# Altium PCB 车载定位器.PcbDoc
Units mil, origin at the board's own origin, x right, y up, seen from the top; angles counter-clockwise.
Board outline 3937.01 x 3937.01 mil, 2 copper layers (Top Layer, Bottom Layer); 65 components, 68 nets, 499 pads, 4 vias.
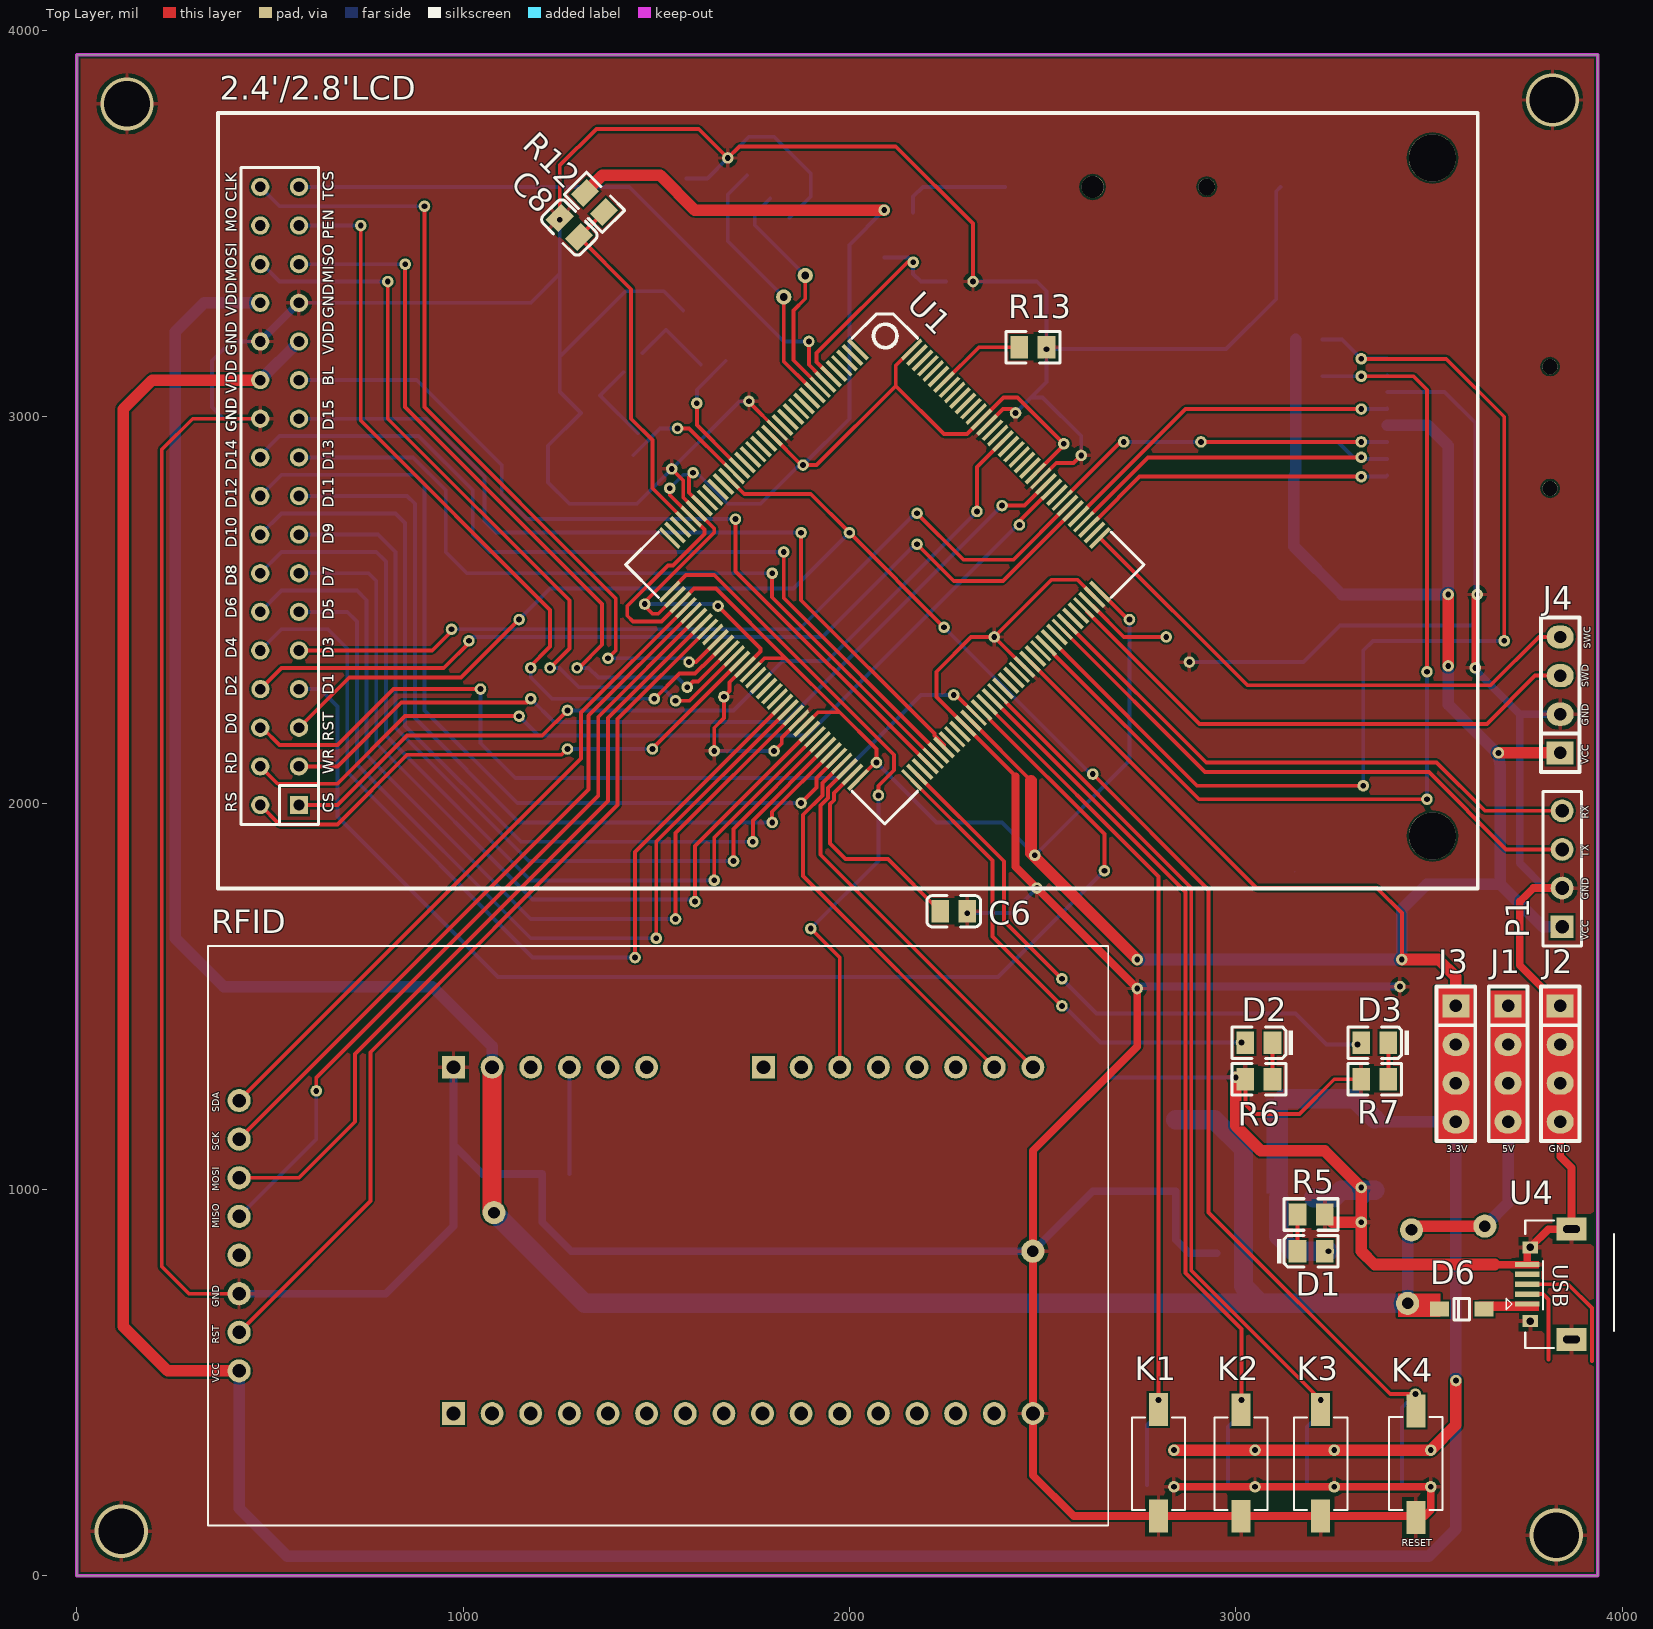
[diagram p0: Top Layer view]
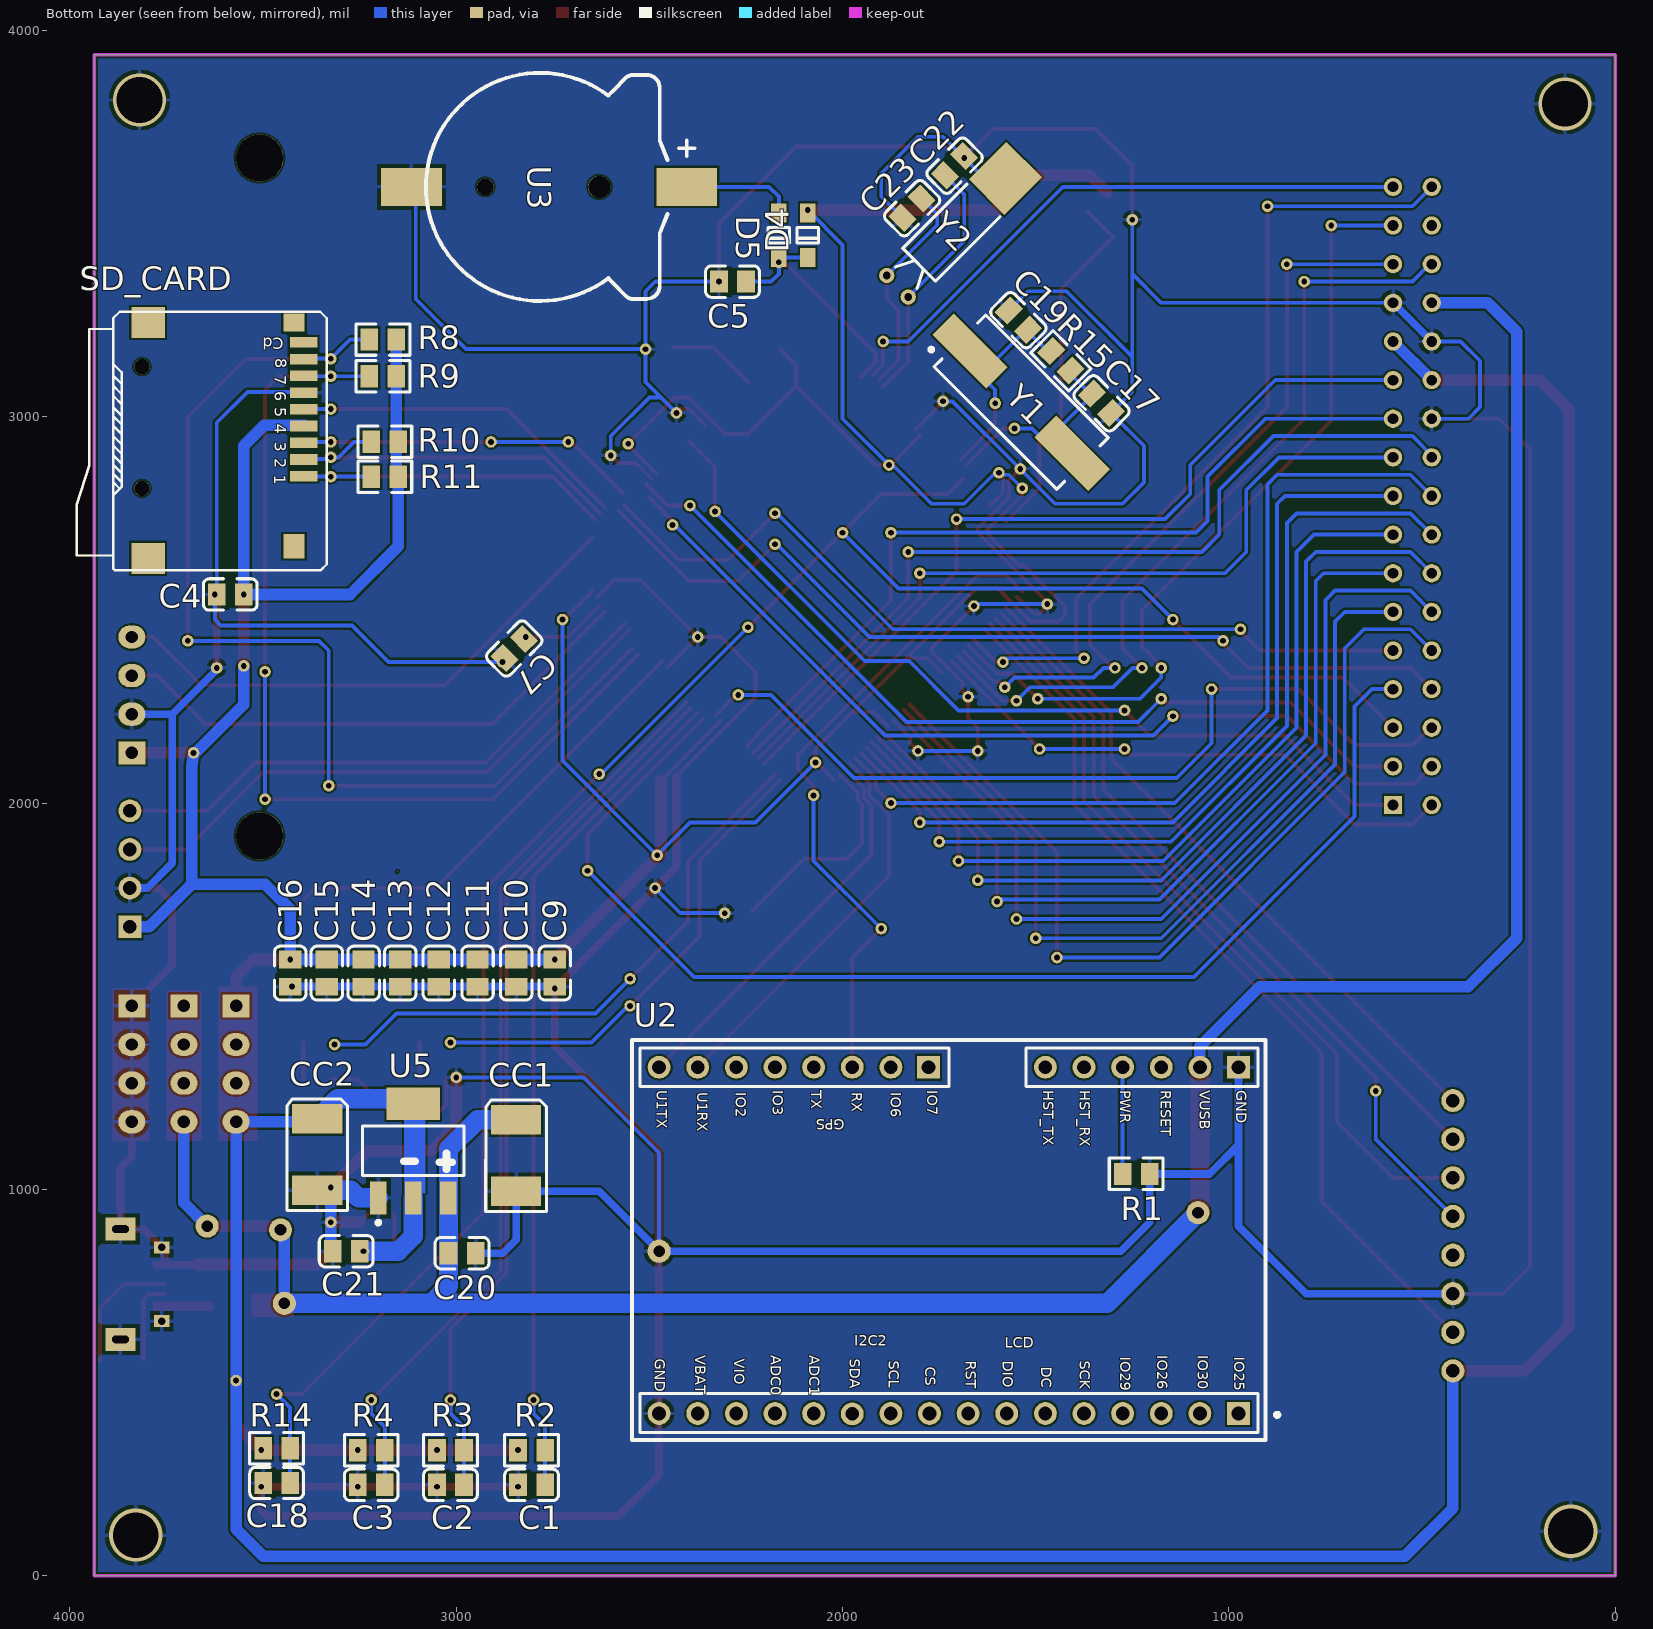
[diagram p1: Bottom Layer view, seen from below]

## Layer stack, top to bottom
Top Solder: solder mask 0.4, Solder Resist, Dk 3.5
Top Layer: signal copper 1.4
Dielectric 1: dielectric 12.6, FR-4, Dk 4.8
Bottom Layer: signal copper 1.4
Bottom Solder: solder mask 0.4, Solder Resist, Dk 3.5

## Board outline
0,0 3937.01,0 3937.01,3937.01 0,3937.01

## Design rules (kind name [scope] priority, off if disabled: settings)
Clearance [All] p1: gap=5
PolygonConnect [All] p1: connectstyle=Relief reliefconductorwidth=10 reliefentries=4 polygonreliefangle="90 Angle" airgapwidth=10
RoutingVias [All] p1: holewidth=28 width=50 viastyle="Through Hole" minholewidth=28 minwidth=50 maxholewidth=28 maxwidth=50
SolderMaskExpansion [All] p1: expansion=4
Width Width_2 [InNet('GND')] p1: maxlimit=50 minlimit=10 preferedwidth=30 minimp=50.000000 maximp=50.000000 favimp=50.000000
Width Width_1 [InNet('VCC3.3')] p2: maxlimit=50 minlimit=10 preferedwidth=10 minimp=50.000000 maximp=50.000000 favimp=50.000000
Width [InNet('VUSB')] p3: maxlimit=100 minlimit=30 preferedwidth=30 minimp=50.000000 maximp=50.000000 favimp=50.000000
30 further rules are at their usual default settings.

## Components (designator, comment, footprint, x,y, rotation, side; value= is the part's Value field where it differs from the comment)
2.4'/2.8'LCD "TFT_LCD" TFT_LCD2.8 575.24,1995.08 r90 top
C1 "105" LC-0805_C 2805,235 r0 bottom
C2 "105" LC-0805_C 3015,235 r0 bottom
C3 "105" LC-0805_C 3220,235 r0 bottom
C4 "10uF" LC-0805_C 3585,2540 r0 bottom
C5 "225" LC-0805_C 2285,3350 r180 bottom
C6 "225" LC-0805_C 2270,1720 r0 top
C7 "225" LC-0805_C 2850,2400 r315 bottom
C8 "104" LC-0805_C 1275,3490 r315 top
C9 "104" LC-0805_C 2745,1560 r90 bottom
C10 "104" LC-0805_C 2845,1560 r90 bottom
C11 "104" LC-0805_C 2945,1560 r90 bottom
C12 "104" LC-0805_C 3045,1560 r90 bottom
C13 "104" LC-0805_C 3145,1560 r90 bottom
C14 "104" LC-0805_C 3240,1560 r90 bottom
C15 "104" LC-0805_C 3335,1560 r90 bottom
C16 "104" LC-0805_C 3430,1560 r90 bottom
C17 "22pF" LC-0805_C 1330,3035 r45 bottom
C18 "104" LC-0805_C 3465,240 r180 bottom
C19 "22pF" LC-0805_C 1545,3250 r45 bottom
C20 "104" LC-0805_C 2985,835 r0 bottom
C21 "104" LC-0805_C 3285,840 r180 bottom
C22 "22pF" LC-0805_C 1710,3650 r315 bottom
C23 "22pF" LC-0805_C 1820,3540 r315 bottom
CC1 "Cap Tan C" TAN-C-6032 2845,1087.48 r90 bottom
CC2 "Cap Tan C" TAN-C-6032 3360,1090 r90 bottom
D1 "红灯 0805" LC-0805_LED_S1 3195,840 r0 top
D2 "蓝灯 0603" LC-0805_LED_S1 3060,1380 r180 top
D3 "蓝灯 0603" LC-0805_LED_S1 3360,1380 r180 top
D4 "SS14" LC-SOD-123 2090,3470 r90 bottom
D5 "SS14" LC-SOD-123 2165,3470 r90 bottom
D6 "SS14" LC-SOD-123 3585,690 r0 top
J1 "Pin HDR1X4" "Pin HDR1X4/2.54mm-S" 3705,1475 r0 top
J2 "Pin HDR1X4" "Pin HDR1X4/2.54mm-S" 3840,1475 r0 top
J3 "Pin HDR1X4" "Pin HDR1X4/2.54mm-S" 3570,1475 r0 top
J4 "Pin HDR1X4" "Pin HDR1X4/2.54mm-S" 3840,2130 r180 top
K1 "KEY" KEY_2 2816.14,300.43 r270 top
K2 "KEY" KEY_2 3030,300 r270 top
K3 "KEY" KEY_2 3236.14,300.43 r270 top
K4 "RESET" KEY_2 3450,280 r90 top
P1 "Header 4" HDR1X4 3845,1680 r90 top
R1 "10KΩ" LC-0805_R 1240,1040 r180 bottom
R2 "10KΩ" LC-0805_R 2805,325 r0 bottom
R3 "10KΩ" LC-0805_R 3015,325 r0 bottom
R4 "10KΩ" LC-0805_R 3220,325 r0 bottom
R5 "47KΩ" LC-0805_R 3195,935 r0 top
R6 "47KΩ" LC-0805_R 3060,1285 r180 top
R7 "47KΩ" LC-0805_R 3360,1285 r180 top
R8 "10KΩ" LC-0805_R 3190,3200 r0 bottom
R9 "10KΩ" LC-0805_R 3190,3105 r0 bottom
R10 "10KΩ" LC-0805_R 3185,2935 r0 bottom
R11 "10KΩ" LC-0805_R 3185,2845 r0 bottom
R12 "10Ω" LC-0805_R 1340,3555 r135 top
R13 "10KΩ" LC-0805_R 2475,3180 r180 top
R14 "10KΩ" LC-0805_R 3465,330 r0 bottom
R15 "1MΩ" LC-0805_R 1435,3145 r225 bottom
RFID "RC522" RFID 420,530 r90 top
SD_CARD "sdIO-sdcard" "Micro SD" 3797.95,3243.74 r270 bottom
U1 "STM32F407ZET6" LQFP144 2022.25,3173.52 r315 top
U2 "A9G模组" A9G 975,1316.26 r0 bottom
U3 "BAT" CR1220_A 2783.27,3595 r180 bottom
U4 "USB" USB_B 3829.17,629.41 r90 top
U5 "AMS1117" SOT-223 3122.68,1105 r180 bottom
Y1 "8MHz" XTAL-SMD 1670,3170 r225 bottom
Y2 "32.768KHz" OSC-3x8-WI-B 1885.68,3365.68 r225 bottom

## Footprints (in the part's own frame and the unit in brackets; to place one, negate y for a bottom-side part, rotate by r counter-clockwise, add the part's x,y. Pads: shape width x height; smd on the part's side, far side on the other; paste and mask are expansions set on the pad)
A9G [mm] "A9G模组"
  rect 1.5x1.5 hole 0.9: 1(0,22.765) 24(20.392,0) 30(0,0)
  round 1.5 hole 0.9: 2(2.54,22.765) 3(5.08,22.765) 4(7.62,22.765) 5(10.16,22.765) 6(12.7,22.765) 7(15.24,22.765) 8(17.78,22.765) 9(20.32,22.765) 10(22.86,22.765) 11(25.4,22.795) 12(27.94,22.765) 13(30.48,22.765) 14(33.02,22.765) 15(35.56,22.765) 16(38.1,22.765) 17(38.1,0) 18(35.56,0) 19(33.02,0) 20(30.48,0) 21(27.94,0) 22(25.4,0) 23(22.86,0) 25(12.7,0) 26(10.16,0) 27(7.62,0) 28(5.08,0) 29(2.54,0)
  silkscreen extent -2.68,-1.78 39.88,24.51, body extent -1.27,-1.27 39.44,24, height 8.54
CR1220_A [mm] "纽扣电池座"
  round 1.1 hole 1.1: 0(-3.6,0)
  round 1.45 hole 1.45: 0(3.9,0)
  rect 4x2.5 smd: 1(9.652,0) 2(-8.458,0)
  silkscreen extent -7.5,-7.5 10.16,7.5, body extent -9.42,-7.45 10.34,7.45, height 4.05
HDR1X4 [mm] "Connector; Header; 4 Position"
  rect 1.5x1.5 hole 0.9: 1(0,0)
  round 1.5 hole 0.9: 2(2.54,0) 3(5.08,0) 4(7.62,0)
  silkscreen extent -1.27,-1.27 8.89,1.27, body extent -1.27,-1.27 8.89,1.27, height 7.58
KEY_2 [mil] "贴片"
  rect 85x49.37 smd: 1(-129.57,-16.14) 2(146.02,-16.14)
  silkscreen extent -110,-85 130,53, body extent -110,-88 130,58
LC-0805_C [mm]
  rect 1.16x1.47 smd: 1(-0.89,0) 2(0.89,0)
  silkscreen extent -1.77,-1.04 1.77,1.04, body extent -1,-0.63 1,0.62, height 0.77
LC-0805_LED_S1 [mm]
  rect 1.16x1.47 smd: A(0.89,0) K(-0.89,0)
  silkscreen extent -2.24,-1.04 1.77,1.03, body extent -1.01,-0.62 1.01,0.62, height 1.1
LC-0805_R [mm]
  rect 1.16x1.47 smd: 1(-0.89,0) 2(0.89,0)
  silkscreen extent -1.77,-1.04 1.77,1.03, body extent -1,-0.63 1,0.63, height 0.49
LC-SOD-123 [mm]
  rect 1.25x1 smd: 1(1.475,0) 2(-1.475,0)
  silkscreen extent -0.5,-0.7 0.5,0.7, body extent -1.85,-0.77 1.85,0.78, height 1.35
LQFP144 [mil]
  rect 70.87x10 smd: 1(-0.35,0.02) 2(-0.35,-19.66) 3(-0.35,-39.35) 4(-0.35,-59.03) 5(-0.35,-78.72) 6(-0.35,-98.4) 7(-0.35,-118.09) 8(-0.35,-137.77) 9(-0.35,-157.46) 10(-0.35,-177.14) 11(-0.35,-196.83) 12(-0.35,-216.51) 13(-0.35,-236.2) 14(-0.35,-255.88) 15(-0.35,-275.57) 16(-0.35,-295.25) 17(-0.35,-314.94) 18(-0.35,-334.62) 19(-0.35,-354.31) 20(-0.35,-373.99) 21(-0.35,-393.68) 22(-0.35,-413.36) 23(-0.35,-433.05) 24(-0.35,-452.73) 25(-0.35,-472.42) 26(-0.35,-492.1) 27(-0.35,-511.79) 28(-0.35,-531.47) 29(-0.35,-551.16) 30(-0.35,-570.84) 31(-0.35,-590.53) 32(-0.35,-610.21) 33(-0.35,-629.9) 34(-0.35,-649.58) 35(-0.35,-669.27) 36(-0.35,-688.95) 73(885.47,-688.95) 74(885.47,-669.27) 75(885.47,-649.58) 76(885.47,-629.9) 77(885.47,-610.21) 78(885.47,-590.53) 79(885.47,-570.84) 80(885.47,-551.16) 81(885.47,-531.47) 82(885.47,-511.79) 83(885.47,-492.1) 84(885.47,-472.42) 85(885.47,-452.73) 86(885.47,-433.05) 87(885.47,-413.36) 88(885.47,-393.68) 89(885.47,-373.99) 90(885.47,-354.31) 91(885.47,-334.62) 92(885.47,-314.94) 93(885.47,-295.25) 94(885.47,-275.57) 95(885.47,-255.88) 96(885.47,-236.2) 97(885.47,-216.51) 98(885.47,-196.83) 99(885.47,-177.14) 100(885.47,-157.46) 101(885.47,-137.77) 102(885.47,-118.09) 103(885.47,-98.4) 104(885.47,-78.72) 105(885.47,-59.03) 106(885.47,-39.35) 107(885.47,-19.66) 108(885.47,0.02)
  rect 10x70.87 smd: 37(98.07,-787.38) 38(117.76,-787.38) 39(137.44,-787.38) 40(157.13,-787.38) 41(176.81,-787.38) 42(196.5,-787.38) 43(216.18,-787.38) 44(235.87,-787.38) 45(255.55,-787.38) 46(275.24,-787.38) 47(294.92,-787.38) 48(314.61,-787.38) 49(334.29,-787.38) 50(353.98,-787.38) 51(373.66,-787.38) 52(393.35,-787.38) 53(413.03,-787.38) 54(432.72,-787.38) 55(452.4,-787.38) 56(472.09,-787.38) 57(491.77,-787.38) 58(511.46,-787.38) 59(531.14,-787.38) 60(550.83,-787.38) 61(570.51,-787.38) 62(590.2,-787.38) 63(609.88,-787.38) 64(629.57,-787.38) 65(649.25,-787.38) 66(668.94,-787.38) 67(688.62,-787.38) 68(708.31,-787.38) 69(727.99,-787.38) 70(747.68,-787.38) 71(767.36,-787.38) 72(787.05,-787.38) 109(787.05,98.45) 110(767.36,98.45) 111(747.68,98.45) 112(727.99,98.45) 113(708.31,98.45) 114(688.62,98.45) 115(668.94,98.45) 116(649.25,98.45) 117(629.57,98.45) 118(609.88,98.45) 119(590.2,98.45) 120(570.51,98.45) 121(550.83,98.45) 122(531.14,98.45) 123(511.46,98.45) 124(491.77,98.45) 125(472.09,98.45) 126(452.4,98.45) 127(432.72,98.45) 128(413.03,98.45) 129(393.35,98.45) 130(373.66,98.45) 131(353.98,98.45) 132(334.29,98.45) 133(314.61,98.45) 134(294.92,98.45) 135(275.24,98.45) 136(255.55,98.45) 137(235.87,98.45) 138(216.18,98.45) 139(196.5,98.45) 140(176.81,98.45) 141(157.13,98.45) 142(137.44,98.45) 143(117.76,98.45) 144(98.07,98.45)
  silkscreen extent -32,-819 917,130
"Micro SD" [mm]
  rect 2.032x2.2 smd: 0(0,0) 0(15.5,0)
  rect 1.2x1.4 smd: 0(0,9.6)
  round 1 hole 1 unplated: 0(2.9,-0.4) 0(10.9,-0.4)
  rect 1.6x1.4 smd: 0(14.7,9.6)
  rect 0.7x1.8 smd: 1(10.1,10.227) 2(9,10.227) 3(7.9,10.227) 4(6.8,10.227) 5(5.7,10.227) 6(4.6,10.227) 7(3.5,10.227) 8(2.4,10.227) 9(1.3,10.227)
  Top Layer lines w0.03: 36.064,16.423 36.114,16.373
  silkscreen extent -0.72,-4.68 16.27,11.75, body extent -0.27,-4.63 16,10.57, height 1.8
OSC-3x8-WI-B [mm]
  rect 3.3x3.5 smd: 0(1,10.033)
  round 1 hole 0.5: 1(0,0) 2(2,0)
  silkscreen extent -0.52,0.8 2.52,8, body extent -0.48,-0.13 2.52,10.05, height 3.03
"Pin HDR1X4/2.54mm-S" [mil]
  rect 70x60 hole 32: 1(0,0)
  oval 70x60 hole 32: 2(0,-100) 3(0,-200) 4(0,-300)
  silkscreen extent -50,-350 50,50, body extent -50,-350 50,50, height 336
RFID [mil]
  round 60 hole 35: 1(700,0) 2(600,0) 3(500,0) 4(400,0) 5(300,0) 6(200,0) 7(100,0) 8(0,0)
  silkscreen extent -400,-2250 1100,80
SOT-223 [mm] "ASM1117系列"
  rect 1.1x2.15 smd: 1(-2.012,-3.227) 2(0.288,-3.227) 3(2.588,-3.227)
  rect 3.5x2.15 smd: 2(0.288,2.973)
  silkscreen extent -3.06,-4.98 3.64,1.5, body extent -3,-3.48 3.5,3.48, height 1.7
TAN-C-6032 [mm]
  rect 1.95x3.3 smd: 1(-2.35,0) 2(2.35,0)
  silkscreen extent -3.68,-2.01 3.66,2, body extent -3,-1.6 3,1.6, height 2.6
TFT_LCD2.8 [mm]
  rect 1.2x1.2 hole 0.7: 1(-0.002,0.006)
  round 1.2 hole 0.7: 2(-0.002,2.546) 3(2.538,0.006) 4(2.538,2.546) 5(5.08,0) 6(5.078,2.546) 7(7.62,0) 8(7.62,2.54) 9(10.158,0.006) 10(10.158,2.546) 11(12.698,0.006) 12(12.698,2.546) 13(15.238,0.006) 14(15.238,2.546) 15(17.778,0.006) 16(17.778,2.546) 17(20.318,0.006) 18(20.318,2.546) 19(22.858,0.006) 20(22.858,2.546) 21(25.398,0.006) 22(25.398,2.546) 23(27.938,0.006) 24(27.938,2.546) 25(30.478,0.006) 26(30.478,2.546) 27(33.018,0.006) 28(33.018,2.546) 29(35.558,0.006) 30(35.558,2.546) 31(38.098,0.006) 32(38.098,2.546) 33(40.638,0.006) 34(40.638,2.546)
  round 3.1 hole 3.1: ""(-2.037,-74.525) ""(42.54,-74.525)
  silkscreen extent -5.5,-77.5 45.5,5.33
USB_B [mm]
  rect 0.35x1.6 smd: 1(1.875,1.884) 2(2.525,1.884) 3(3.175,1.884) 4(3.825,1.884) 5(4.475,1.884)
  rect 1.5x2 hole 0.5 slot 1.1 at 90 deg: 5(-0.45,-1.016) 5(6.8,-1.016)
  rect 0.8x1 hole 0.5: 5(0.75,1.694) 5(5.6,1.694)
  silkscreen extent -1.02,-3.81 7.37,3.28, body extent -0.83,-3.73 7.18,1.87, height 2.8
XTAL-SMD [mm]
  rect 5x2 smd: 1(0,0) 2(9.5,0)
  silkscreen extent -2,-2.4 10.45,2.4, body extent -1.95,-2.46 11.45,2.44, height 4

## Part data
C1 C2 C3 C5 C6 C7 C9 C10 C11 C12 C13 C14 C15 C16 C20 C21: library part "0805 6.8nF (682) 10% 50V", "贴片电容"
C4: library part "0805 10uF (106) 10% 25V", "贴片电容"
C8 C18: library part "0805 330nF (334) 10% 50V", "贴片电容"
C17 C19 C22 C23: library part "0805 6pF (6R0) 0.25pF 50V", "贴片电容"
CC1 CC2: "Polarized Capacitor (Radial)"
D1: library part "0805 红灯", "发光二极管"
D2 D3: library part "0603 蓝灯", "发光二极管"
D4 D5 D6: library part D
K1 K2 K3: "微动开关"
K4: library part KEY, "微动开关"
P1: "Header, 4-Pin"
R1: library part "0805 10KΩ (1002) 1%", "贴片电阻"
R2 R3 R4 R5 R6 R7 R8 R9 R10 R11: library part "0805 11KΩ (1102) 1%", "贴片电阻"
R12 R13: library part "0805 9.1KΩ (9101) 1%", "贴片电阻"
R14 R15: library part "0805 390KΩ (3903) 1%", "贴片电阻"
RFID: library part RFID
U3: "纽扣电池座CR1220"
U5: "3.3V电压转换器AMS1117"
Y1 Y2: library part XTAL, "晶体振荡器"

## Free pads (board coordinates)
  round 30 hole 15: 0(620,1255) 0(735,3495) 0(805,3350) 0(850,3395) 0(900,3545) 0(970,2450) 0(1015,2420) 0(1045,2295) 0(1145,2225) 0(1145,2475) 0(1175,2270) 0(1175,2350) 0(1225,2350) 0(1250,3510) 0(1270,2140) 0(1270,2240) 0(1295,2350) 0(1375,2375) 0(1445,1600) 0(1470.26,2515) 0(1490,2140) 0(1495,2270) 0(1500,1650) 0(1535,2815) 0(1540,2865) 0(1550,1700) 0(1550,2265) 0(1555,2970) 0(1580,2300) 0(1585,2365) 0(1595.26,2855) 0(1600,1745) 0(1605,3035) 0(1650,1800) 0(1650,2135) 0(1660,2510) 0(1675,2275) 0(1685,3670) 0(1700,1850) 0(1705,2735) 0(1740,3040) 0(1750,1900) 0(1800,1950) 0(1800,2595) 0(1805,2135) 0(1830,2650) 0(1875,2000) 0(1875,2700) 0(1880,2875) 0(1895,3195) 0(1900,1675) 0(2000,2700) 0(2070,2105) 0(2075,2020) 0(2090,3535) 0(2165,3400) 0(2175,2670) 0(2175,2750) 0(2245,2455) 0(2270,2280) 0(2305.26,1715) 0(2320.04,3350) 0(2330,2755) 0(2375,2430) 0(2395,2770) 0(2430,3010) 0(2440,2720) 0(2480,1865) 0(2485.26,1780) 0(2510,3175) 0(2550,1475) 0(2550,1545) 0(2555,2930) 0(2600,2900) 0(2630,2075) 0(2660,1825) 0(2710,2935) 0(2725,2475) 0(2745,1520) 0(2745,1595) 0(2800,455) 0(2820,2430) 0(2840,230) 0(2840,325) 0(2880,2365) 0(2910,2935) 0(3000,1290) 0(3015,455) 0(3015,1380) 0(3050,230) 0(3050,325) 0(3220,455) 0(3240,840) 0(3255,230) 0(3255,325) 0(3315,1375) 0(3325,915) 0(3325,1005) 0(3325,2845) 0(3325,2895) 0(3325,2935) 0(3325,3020) 0(3325,3105) 0(3325,3150) 0(3330,2045) 0(3425,1525) 0(3430,1595) 0(3465,470) 0(3495,2010) 0(3495,2340) 0(3505,230) 0(3505,325) 0(3550,2355) 0(3550,2540) 0(3570,505) 0(3620,2350) 0(3625,2540) 0(3680,2130) 0(3695,2420)
  round 60 hole 30: 1(3445,705) 2(1080,940) 3(3455,895) 4(3645,905) 5(2475,840)

## Via types
v1: diameter 137.8, hole 118.11, Top Layer to Bottom Layer, 4 vias

## Nets (pads, with @x,y where several pads share a name; then routed paths per layer and width w, separated by ;. In a path a pad name is that pad's centre, name@x,y a point inside that pad or via, vN(x,y) a via of type N, cw(c..) or ccw(c..) an arc to the next point about the centre after c; other vN are vias at no path point)
FSMC_A6: 2.4'/2.8'LCD.2 pad.0@1270,2140 pad.0@1490,2140 U1.50 | length 1436.8
  Top Layer w10: 2.4'/2.8'LCD.2 525,1945 675,1945 855,2125 1255,2125 pad.0@1270,2140 ; pad.0@1489.32,2140 U1.50
  Bottom Layer w10: pad.0@1270,2140 pad.0@1490,2140
FSMC_D0: 2.4'/2.8'LCD.6 pad.0@1045,2295 pad.0@2270,2280 U1.85 | length 2220.1
  Top Layer w10: 2.4'/2.8'LCD.6@480,2195 525,2150 675,2150 820,2295 pad.0@1045,2295 ; pad.0@2270,2280 2275.51,2280 U1.85
  Bottom Layer w10: pad.0@1045,2295 1045,2155 1135,2065 1970,2065 2185,2280 2270,2280 pad.0@2275,2280
FSMC_D1: 2.4'/2.8'LCD.7 pad.0@2660,1825 U1.86 | length 3189.4
  Top Layer w10: U1.86@2362.92,2217.08 2660,1920 pad.0@2660,1825
  Bottom Layer w10: 2.4'/2.8'LCD.7 629.92,2295.08 675,2250 675,1965 1090,1550 2385,1550 pad.0@2660,1825
FSMC_D2: 2.4'/2.8'LCD.8 pad.0@1015,2420 pad.0@2175,2670 U1.114 | length 2380.3
  Top Layer w10: 2.4'/2.8'LCD.8 530,2349.84 949.84,2349.84 pad.0@1020,2420 ; pad.0@2175,2670 2270,2575 2397.58,2575 U1.114
  Bottom Layer w10: pad.0@1015,2420 1025,2430 1930,2430 pad.0@2175,2675
FSMC_D3: 2.4'/2.8'LCD.9 pad.0@970,2450 pad.0@2175,2750 U1.115 | length 2244.7
  Top Layer w10: 2.4'/2.8'LCD.9 920,2395 pad.0@975,2450 ; pad.0@2175,2750 2295,2630 2424.74,2630 U1.115
  Bottom Layer w10: pad.0@970,2450 1870,2450 pad.0@2170,2750
FSMC_D4: 2.4'/2.8'LCD.10 pad.0@1445,1600 U1.58 | length 2345.7
  Top Layer w10: pad.0@1445,1600 1445,1872.97 U1.58
  Bottom Layer w10: 2.4'/2.8'LCD.10 530,2450 650,2450 700,2400 700,2080 1180,1600 pad.0@1445,1600
FSMC_D5: 2.4'/2.8'LCD.11 pad.0@1500,1650 U1.59 | length 2224.2
  Top Layer w10: pad.0@1500,1650 1500,1900.13 U1.59
  Bottom Layer w10: 2.4'/2.8'LCD.11 700,2495 725,2470 725,2100 1175,1650 pad.0@1500,1650
FSMC_D6: 2.4'/2.8'LCD.12 pad.0@1550,1700 U1.60 | length 2337.8
  Top Layer w10: pad.0@1550,1700 1550,1922.29 U1.60
  Bottom Layer w10: 2.4'/2.8'LCD.12 530,2550 725,2550 750,2525 750,2125 1175,1700 pad.0@1550,1700
FSMC_D7: 2.4'/2.8'LCD.13 pad.0@1600,1745 U1.63 | length 2184.5
  Top Layer w10: pad.0@1600,1745 1600,1888.77 U1.63
  Bottom Layer w10: 2.4'/2.8'LCD.13 755,2595 775,2575 775,2155 1180,1750 pad.0@1600,1750
FSMC_D8: 2.4'/2.8'LCD.14 pad.0@1650,1800 U1.64 | length 2293
  Top Layer w10: pad.0@1650,1800 1650,1910.93 U1.64
  Bottom Layer w10: 2.4'/2.8'LCD.14 530,2650 775,2650 800,2625 800,2175 1175,1800 pad.0@1650,1800
FSMC_D9: 2.4'/2.8'LCD.15 pad.0@1700,1850 U1.65 | length 2142.2
  Top Layer w10: pad.0@1700,1850 1700,1933.1 U1.65
  Bottom Layer w10: 2.4'/2.8'LCD.15 780,2695 825,2650 825,2195 1170,1850 pad.0@1700,1850
FSMC_D10: 2.4'/2.8'LCD.16 pad.0@1750,1900 U1.66 | length 2279.2
  Top Layer w10: pad.0@1750,1900 1750,1955.26 U1.66
  Bottom Layer w10: 2.4'/2.8'LCD.16 530,2750 825,2750 850,2725 850,2200 1150,1900 pad.0@1750,1900
FSMC_D11: 2.4'/2.8'LCD.17 pad.0@1800,1950 U1.67 | length 2143.1
  Top Layer w10: pad.0@1800,1950 1800,1977.42 U1.67
  Bottom Layer w10: 2.4'/2.8'LCD.17 855,2795 875,2775 875,2220 1145,1950 pad.0@1800,1950
FSMC_D12: 2.4'/2.8'LCD.18 pad.0@1875,2000 U1.68 | length 2271.3
  Top Layer w10: pad.0@1875,2000 1915,2040 1915,2064.58 U1.68
  Bottom Layer w10: 2.4'/2.8'LCD.18 530,2850 875,2850 900,2825 900,2240 1140,2000 pad.0@1875,2000
FSMC_D13: 2.4'/2.8'LCD.19 pad.0@1800,2595 U1.77 | length 2094.8
  Top Layer w10: pad.0@1800,2595 1800,2532.8 U1.77
  Bottom Layer w10: 2.4'/2.8'LCD.19 870,2895 955,2810 955,2650 1010,2595 pad.0@1800,2595
FSMC_D14: 2.4'/2.8'LCD.20 pad.0@1830,2650 U1.78 | length 2258.5
  Top Layer w10: pad.0@1830,2650 1830,2530.64 U1.78
  Bottom Layer w10: 2.4'/2.8'LCD.20 475,2900 525,2950 885,2950 1025,2810 1025,2695 1070,2650 pad.0@1830,2650
FSMC_D15: 2.4'/2.8'LCD.21 pad.0@1875,2700 U1.79 | length 2198.9
  Top Layer w10: pad.0@1875,2700 1875,2525 2220.05,2179.95 2220.05,2175.05 2244.73,2150.38 U1.79
  Bottom Layer w10: 2.4'/2.8'LCD.21 905,2995 1055,2845 1055,2730 1085,2700 pad.0@1875,2700
FSMC_NE4: 2.4'/2.8'LCD.1 pad.0@1270,2240 pad.0@2330,2755 U1.127 | length 2285.5
  Top Layer w10: 2.4'/2.8'LCD.1 675,1995 855,2175 1205,2175 pad.0@1270,2240 ; pad.0@2330,2755 2330,2870 2365,2905 2365.68,2905 U1.127
  Bottom Layer w10: pad.0@1265,2240 1270,2240 1700,2240 1827.5,2367.5 1942.5,2367.5 pad.0@2330,2755
FSMC_NOE: 2.4'/2.8'LCD.4 pad.0@1145,2225 pad.0@2440,2720 U1.118 | length 2397.4
  Top Layer w10: 2.4'/2.8'LCD.4 520,2050 675,2050 850,2225 1145,2225 pad.0@1150,2225 ; pad.0@2440,2720 2440,2730 U1.118@2500,2790
  Bottom Layer w10: pad.0@1145,2225 1195,2175 1890,2175 pad.0@2435,2720
FSMC_NWE: 2.4'/2.8'LCD.3 pad.0@1175,2270 pad.0@2395,2770 U1.119 | length 2286.6
  Top Layer w10: 2.4'/2.8'LCD.3 675,2095 840,2260 1165,2260 pad.0@1175,2270 ; pad.0@2395,2770 2453.39,2770 U1.119
  Bottom Layer w10: pad.0@1175,2270 1235,2210 1835,2210 pad.0@2395,2770
GND: 2.4'/2.8'LCD.22 2.4'/2.8'LCD.26 2.4'/2.8'LCD.27 C1.2 C2.2 C3.2 C4.2 C5.1 C6.2 C7.2 C8.1 C9.1 C10.1 C11.1 C12.1 C13.1 C14.1 C15.1 C16.1 C17.1 C18.1 C19.2 C20.1 C21.1 C22.1 C23.2 CC1.1 CC2.1 J2.1 J2.2 J2.3 J2.4 J4.2 K1.2 K2.2 K3.2 K4.1 P1.2 pad.0@1250,3510 pad.0@1470.26,2515 pad.0@1540,2865 pad.0@1650,2135 pad.0@1660,2510 pad.0@1675,2275 pad.0@1685,3670 pad.0@1740,3040 pad.0@1805,2135 pad.0@2305.26,1715 pad.0@2320.04,3350 pad.0@2375,2430 pad.0@2430,3010 pad.0@2485.26,1780 pad.0@2510,3175 pad.0@2600,2900 pad.0@2745,1520 pad.0@2840,230 pad.0@2880,2365 pad.0@3000,1290 pad.0@3050,230 pad.0@3255,230 pad.0@3325,915 pad.0@3325,1005 pad.0@3425,1525 pad.0@3505,230 pad.0@3620,2350 pad.0@3625,2540 pad.5 R1.2 R5.2 R6.2 R7.2 R13.1 RFID.6 SD_CARD.6 U1.16 U1.31 U1.38 U1.51 U1.61 U1.83 U1.94 U1.107 U1.120 U1.130 U2.16 U2.30 U3.2 U4.5 U5.1 | length 26650.5
  Top Layer w10: RFID.6 290,730 220,800 220,2915 300,2995 2.4'/2.8'LCD.22 ; pad.0@1250,3510 1250,3650 1345,3745 1610,3745 1685,3670 1715,3700 2120,3700 2320.04,3499.96 pad.0@2320.04,3350 ; pad.0@1540,2865 1570,2835 1570,2790.64 U1.31 1650,2710.64 1650,2700 1465,2515 1490,2490 1505.26,2490 U1.38 ; pad.0@1650,2135 1650,2195 1675,2220 1675,2275 1690,2290 1690,2312.84 U1.51 1770,2392.84 1770,2400 pad.0@1660,2510 ; pad.0@1740,3040 1740,3038.22 U1.16 ; pad.0@1805,2135 1825,2155 1825,2169.45 U1.61 ; U1.130 2397.16,3020 2420,3020 pad.0@2430,3010 ; 2429.84,2070 U1.83 2225,2274.84 2225,2340 2315,2430 pad.0@2375,2430 ; U1.94 2452.45,2352.55 pad.0@2375,2430 ; U1.120 2535.55,2880 2580,2880 pad.0@2600,2900 ; U1.107 2590,2577.97 2522.97,2577.97 pad.0@2375,2430 ; R6.2 3024.96,1220.04 3050,1195 3165,1195 3255,1285 R7.2 ; R5.2 R5.2@3250.04,915
  Top Layer w20: 2429.61,2069.78 2429.84,2069.55 2429.84,1835.16 2745,1520 2745,1370 2475,1100 pad.5 U2.16 2475,260 2580.59,154.41 K1.2 K3.2 3489.41,154.41 3505,170 3505,230 3255,230 3050,230 pad.0@2840,230 ; pad.0@3620,2350 3620,2535 pad.0@3625,2540 ; U4.5@3755,805.59 3755,842.4 3762.48,849.88 3809.72,897.13 3869.17,897.13 3869.17,1055.83 3840,1085 J2.4 ; J2.1 3735,1580 3735,1745 3770,1780 P1.2
  Top Layer w30: pad.0@3000,1290 3000,1165 3065,1100 3230,1100 3325,1005 pad.0@3325,915 ; R5.2@3250.04,915 pad.0@3325,915 ; 3670,805.59 3359.41,805.59 3325,840 pad.0@3325,915
  Bottom Layer w10: 2.4'/2.8'LCD.22 380,2995 350,3025 350,3145 400,3195 2.4'/2.8'LCD.26 ; 2.4'/2.8'LCD.27 1175,3295 1250,3370 ; pad.0@1250,3510 1250,3370 ; pad.0@1470.26,2515 1655,2515 pad.0@1660,2510 ; C19.2 1519.55,3325 1420,3325 1250,3155 ; 1578.53,3617.15 1632.15,3617.15 1685,3670 1740,3725 1805,3725 1900,3630 1900,3570.45 C23.2 ; pad.0@1650,2135 pad.0@1805,2135 ; pad.0@1740,3040 1715,3040 1540,2865 1450,2775 1275,2775 1220,2830 1220,2925 C17.1 1250,3065.45 1250,3155 ; pad.0@2305.26,1715 2420.26,1715 pad.0@2485.26,1780 ; C5.1 2485,3350 2510,3325 pad.0@2510,3175 ; pad.0@2430,3010 2470,3050 ; pad.5 2475,1095 2670,1290 pad.0@3000,1290 ; pad.0@2600,2900 2600,2950 2500,3050 2470,3050 ; pad.0@2880,2365 3175,2365 3270,2460 3610,2460 3625,2475 pad.0@3625,2540 ; U3.2 3105,3583.73 3105,3305 2975,3175 pad.0@2510,3175 ; SD_CARD.6@3392.33,3064.34 3540.66,3064.34 3620.04,2984.96 C4.2 ; 1250,3155 1250,3370 ; 2470,3050 2510,3090 pad.0@2510,3175
  Bottom Layer w20: RFID.6 800,730 975,905 975,1115 ; 2.4'/2.8'LCD.26 2.4'/2.8'LCD.27 ; U2.30 975,1115 ; C9.1 C10.1 C11.1 C12.1 C13.1 C14.1 C15.1 C16.1 ; C20.1 2880,835 2845,870 CC1.1 2629.96,994.96 pad.5 1280,840 1204.96,915.04 R1.2 1050,1040 975,1115 ; C21.1 C21.1@3325,844.96 ; CC2.1@3325,962.48 CC2.1 ; pad.0@3620,2345 3735,2230 ; J4.2 3735,2230 ; P1.2 3800,1780 3735,1845 3735,2230
  Bottom Layer w30: C21.1@3325,844.96 3325,915 CC2.1@3325,962.48
  Bottom Layer w50: U5.1 3252.95,977.95 3272.48,997.48 CC2.1
  other v1: 3830,105 115,115 130,3810 3820,3820
KEY1: C1.1 K1.1 pad.0@2800,455 R2.1 U1.87 | length 2188.5
  Top Layer w10: U1.87@2375,2235 2800,1810 pad.0@2800,455
  Bottom Layer w10: C1.1 R2.1 2769.96,389.96 2800,420 pad.0@2800,455
KEY2: C2.1 K2.1 pad.0@3015,455 R3.1 U1.88 | length 2281.3
  Top Layer w10: U1.88@2395,2245 2870,1770 2870,783.79 3015,638.79 pad.0@3015,455
  Bottom Layer w10: C2.1 R3.1 2979.96,384.96 3015,420 pad.0@3015,455
KEY3: C3.1 K3.1 pad.0@3220,455 R4.1 U1.89 | length 2377.1
  Top Layer w10: U1.89@2405,2260 2885,1780 2885,790 pad.0@3220,455
  Bottom Layer w10: C3.1 R4.1 3184.96,384.96 3220,420 pad.0@3220,455
LCD_BL: 2.4'/2.8'LCD.23 pad.0@1705,2735 U1.76 | length 2157.3
  Top Layer w10: pad.0@1705,2735 1705,2599.96 U1.76
  Bottom Layer w10: 2.4'/2.8'LCD.23 880,3095 1100,2875 1100,2800 1165,2735 pad.0@1700,2735
LED1: D2.A pad.0@2550,1475 pad.0@3015,1380 U1.73 | length 1249.2
  Top Layer w10: U1.73 2370,1851.45 2370,1655 pad.0@2550,1475
  Bottom Layer w10: pad.0@2552.5,1477.5 2650,1380 pad.0@3015,1380
LED2: D3.A pad.0@2550,1545 pad.0@3315,1375 U1.74 | length 1519.9
  Top Layer w10: U1.74 2400,1849.29 2400,1695 pad.0@2550,1545
  Bottom Layer w10: pad.0@2550,1545 2640,1455 3155,1455 3235,1375 pad.0@3315,1375
NetC6_1: C6.1 U1.71 | length 560.7
  Top Layer w10: U1.71 1960,2026.06 1960,2007.22 1950,1997.22 1950,1895 1990,1855 2099.96,1855 C6.1
NetC7_1: C7.1 pad.0@2820,2430 U1.106 | length 223.1
  Top Layer w10: U1.106@2630.06,2510.06 2710.13,2430 pad.0@2820,2430
NetD1_K: D1.K R5.1 | length 95
  Top Layer w10: D1.K R5.1
NetD2_K: D2.K R6.1 | length 95
  Top Layer w10: R6.1 D2.K
NetD3_K: D3.K R7.1 | length 95
  Top Layer w10: R7.1 D3.K
NetD5_1: D5.1 U3.1 | length 290.6
  Bottom Layer w10: D5.1 2165,3570 2190,3595 U3.1
NetD6_1: D6.1 U4.1 | length 2.5
  Top Layer w10: U4.1@3753.23,705 U4.1
NetR1_1: R1.1 U2.27 | length 276.3
  Bottom Layer w10: U2.27 1275.04,1316.22 R1.1
NetR13_2: R13.2 U1.138 | length 232.4
  Top Layer w10: U1.138 2245.27,3090.27 2335,3180 R13.2
NRST: 2.4'/2.8'LCD.5 C18.2 K4.2 pad.0@1145,2475 pad.0@2000,2700 pad.0@2245,2455 pad.0@2630,2075 pad.0@3465,470 R14.1 U1.25 | length 5121.2
  Top Layer w10: 2.4'/2.8'LCD.5 705.16,2325 995,2325 1145,2475 pad.0@1147.5,2477.5 ; U1.25 1727.67,2800 1900,2800 2000,2700 pad.0@2245,2455 ; pad.0@2630,2075 2930,1775 2930,940 3400,470 pad.0@3465,470
  Bottom Layer w10: pad.0@1150,2480 1225,2555 1855,2555 pad.0@2000,2700 ; pad.0@2247.5,2452.5 pad.0@2630,2070 ; C18.2 C18.2 3430,435 pad.0@3465,470
OSC32_IN: C23.1 U1.8 Y2.1 | length 572.6
  Top Layer w10: Y2.1 1885.68,3305.68 1855,3275 1855,3146.38 U1.8@1905,3096.38
  Bottom Layer w10: C23.1 1755,3524.55 1755,3496.36 Y2.1
OSC32_OUT: C22.2 U1.9 Y2.2 | length 654.7
  Top Layer w10: Y2.2 1830,3143.1 U1.9@1895,3078.1
  Bottom Layer w10: C22.2 1685,3575.45 1685,3455 Y2.2
OSC_IN: C19.1 pad.0@1605,3035 R15.1 U1.23 Y1.1 | length 536.6
  Top Layer w10: pad.0@1605,3035 1605,2978.35 U1.23@1694.18,2889.18
  Bottom Layer w10: R15.1@1464.78,3164.78 1525.22,3225.22 Y1.1@1615.22,3135.22 ; pad.0@1605,3035 1605,3070 Y1.1@1680,3145
OSC_OUT: C17.2 pad.0@1555,2970 R15.2 U1.24 Y1.2 | length 531
  Top Layer w10: pad.0@1555,2970 1585.07,2970 U1.24@1680.03,2875.03
  Bottom Layer w10: R15.2@1415.22,3115.22 1354.78,3054.78 Y1.2@1452.28,2957.28 ; Y1.2@1440.53,2900.53 1510,2970 pad.0@1555,2970
RF_MISO: pad.0@620,1255 RFID.4 U1.42 | length 2043.4
  Top Layer w10: pad.0@620,1255 620,1290 1350,2020 1350,2223.39 U1.42
  Bottom Layer w10: RFID.4 620,1130 620,1255 pad.0@620,1260
RF_MOSI: RFID.3 U1.43 | length 2021.1
  Top Layer w10: RFID.3 575,1030 720,1175 720,1350 1375,2005 1375,2220.55 U1.43
RF_RST: RFID.7 U1.44 | length 2322.1
  Top Layer w10: RFID.7 760,970 760,1355 1400,1995 1400,2217.71 U1.44
RF_SCK: RFID.2 U1.41 | length 1846.6
  Top Layer w10: RFID.2 1325,2035 1325,2226.23 U1.41
RF_SDA: RFID.1 U1.40 | length 1754.7
  Top Layer w10: RFID.1 1305,2115 1305,2234.07 U1.40
SDIO_CMD: pad.0@2710,2935 pad.0@2910,2935 pad.0@3325,2935 SD_CARD.3 U1.116 | length 882.2
  Top Layer w10: U1.116@2570,2803.1 2701.9,2935 pad.0@2710,2935 ; pad.0@2910,2935 pad.0@3325,2935
  Bottom Layer w10: pad.0@2705,2935 2710,2935 pad.0@2910,2935 ; pad.0@3325,2935 3391.75,2935 SD_CARD.3@3392.33,2934.42
SDIO_D0: pad.0@3325,3105 pad.0@3495,2010 pad.0@3495,2340 R9.2 SD_CARD.7 U1.98 | length 2533.2
  Top Layer w10: U1.98@2530,2385 2905,2010 pad.0@3495,2010 ; pad.0@3325,3105 3460,3105 3495,3070 pad.0@3495,2340
  Bottom Layer w10: R9.2 3325,3105 3389.69,3105 SD_CARD.7@3392.33,3107.64 ; pad.0@3495,2010 pad.0@3495,2340
SDIO_D1: pad.0@3325,3150 pad.0@3330,2045 pad.0@3695,2420 R8.2 SD_CARD.8 U1.99 | length 2857.1
  Top Layer w10: U1.99@2545,2400 2900,2045 pad.0@3330,2045 ; pad.0@3325,3150 3545,3150 3695,3000 pad.0@3695,2420
  Bottom Layer w10: R8.2 3275,3200 3324.05,3150.95 SD_CARD.8@3392.33,3150.95 ; pad.0@3330,2045 3330,2395 3355,2420 pad.0@3695,2420
SDIO_D2: pad.0@3325,2845 R11.2 SD_CARD.1 U1.111 | length 903.7
  Top Layer w10: U1.111@2640.55,2734.45 2751.1,2845 pad.0@3325,2845
  Bottom Layer w10: R11.2 3325,2845 3389.53,2845 SD_CARD.1@3392.33,2847.8
SDIO_D3: pad.0@3325,2895 R10.2 SD_CARD.2 U1.112 | length 946.2
  Top Layer w10: U1.112@2628.91,2751.09 2772.81,2895 pad.0@3325,2895
  Bottom Layer w10: R10.2 3265,2935 3305,2895 3325,2895 3328.89,2891.11 SD_CARD.2@3392.33,2891.11
SDIO_SCK: pad.0@3325,3020 SD_CARD.5 U1.113 | length 883.5
  Top Layer w10: U1.113@2614.76,2765.24 2869.53,3020 pad.0@3325,3020
  Bottom Layer w10: pad.0@3325,3020 3391.3,3020 SD_CARD.5@3392.33,3021.03
SWCLK: J4.4 U1.109 | length 1401.1
  Top Layer w10: U1.109@2648.61,2686.39 3030,2305 3660,2305 3785,2430 J4.4
SWDIO: J4.3 U1.105 | length 1397.4
  Top Layer w10: U1.105@2615,2496.3 2906.3,2205 3650,2205 3775,2330 J4.3
T_CS: 2.4'/2.8'LCD.33 pad.0@1895,3195 U1.7 | length 1581.4
  Top Layer w10: pad.0@1895,3195 1895,3134.66 U1.7@1920,3109.66
  Bottom Layer w10: 2.4'/2.8'LCD.33 1430,3595 1830,3195 pad.0@1895,3195
T_MISO: 2.4'/2.8'LCD.29 pad.0@850,3395 pad.0@1295,2350 pad.0@1580,2300 U1.48 | length 2008.8
  Top Layer w10: pad.0@850,3395 850,3025 1360,2515 1360,2410 pad.0@1300,2350 ; pad.0@1580,2300 1595,2315 1608.64,2315 U1.48
  Bottom Layer w10: 2.4'/2.8'LCD.29 pad.0@850,3395 ; pad.0@1295,2350 1325,2350 1350,2325 1555,2325 pad.0@1580,2300
T_MOSI: 2.4'/2.8'LCD.30 pad.0@805,3350 pad.0@1225,2350 pad.0@1550,2265 U1.49 | length 2123.9
  Top Layer w10: pad.0@805,3350 805,2995 1275,2525 1275,2400 pad.0@1225,2350 ; pad.0@1550,2265 1586.48,2265 U1.49
  Bottom Layer w10: 2.4'/2.8'LCD.30 480,3395 525,3350 pad.0@805,3350 ; pad.0@1225,2350 1250,2350 1300,2300 1515,2300 pad.0@1550,2265
T_PEN: 2.4'/2.8'LCD.31 pad.0@735,3495 pad.0@1175,2350 pad.0@1495,2270 U1.47 | length 2134.8
  Top Layer w10: pad.0@735,3495 735,2990 1225,2500 1225,2405 pad.0@1170,2350 ; pad.0@1495,2270 1560,2335 1600,2335 1620,2355 1620.81,2355 U1.47
  Bottom Layer w10: 2.4'/2.8'LCD.31 pad.0@735,3495 ; pad.0@1175,2350 1175,2325 1230,2270 pad.0@1495,2270
T_SCK: 2.4'/2.8'LCD.34 pad.0@900,3545 pad.0@1375,2375 pad.0@1585,2365 U1.46 | length 2142
  Top Layer w10: pad.0@900,3545 900,3025 1395,2530 1395,2395 pad.0@1375,2375 ; pad.0@1585,2365 1602.97,2365 U1.46
  Bottom Layer w10: 2.4'/2.8'LCD.34 525,3545 pad.0@900,3545 ; pad.0@1375,2375 1575,2375 pad.0@1585,2365
U1_RX: P1.4 U1.102 | length 1480.6
  Top Layer w10: U1.102 2923.77,2105 3520,2105 3645,1980 P1.4
U1_TX: P1.3 U1.101 | length 1530.1
  Top Layer w10: U1.101 2920.93,2080 3500,2080 3700,1880 P1.3
U2_RX: pad.0@1900,1675 pad.0@2075,2020 U1.37 U2.22 | length 1724.3
  Top Layer w10: U1.37 1577.42,2590 1650,2590 2115,2125 2115,2085 2075,2045 pad.0@2075,2020 ; pad.0@1900,1675 1975,1600 U2.22
  Bottom Layer w10: pad.0@1900,1675 2075,1850 2075,2020 pad.0@2075,2025
U3_RX: U1.70 U2.17 | length 1028.3
  Top Layer w10: U1.70 1945,2038.9 1945,2013.43 1925,1993.43 1925,1866.26 U2.17
U3_TX: U1.69 U2.18 | length 1032.3
  Top Layer w10: U1.69 1930,2051.74 1930,2019.64 1880,1969.64 1880,1811.26 U2.18
VBAT: C5.2 D4.2 D5.2 pad.0@2165,3400 U1.6 | length 626.8
  Top Layer w10: U1.6 1915,3141.61 1915,3165 2150,3400 pad.0@2165,3400
  Bottom Layer w10: D4.2 2153.07,3411.93 2165,3400 2165,3370 2185,3350 C5.2
VCC3.3: 2.4'/2.8'LCD.24 2.4'/2.8'LCD.25 C4.1 C9.2 C10.2 C11.2 C12.2 C13.2 C14.2 C15.2 C16.2 C21.2 CC2.2 D1.A D4.1 J3.1 J3.2 J3.3 J3.4 J4.1 P1.1 pad.0@1535,2815 pad.0@1595.26,2855 pad.0@1880,2875 pad.0@2070,2105 pad.0@2090,3535 pad.0@2480,1865 pad.0@2555,2930 pad.0@2725,2475 pad.0@2745,1595 pad.0@2840,325 pad.0@3050,325 pad.0@3240,840 pad.0@3255,325 pad.0@3430,1595 pad.0@3505,325 pad.0@3550,2355 pad.0@3550,2540 pad.0@3570,505 pad.0@3680,2130 R2.2 R3.2 R4.2 R8.1 R9.1 R10.1 R11.1 R12.2 R14.2 RFID.8 SD_CARD.4 U1.17 U1.30 U1.32 U1.39 U1.52 U1.62 U1.72 U1.84 U1.95 U1.108 U1.121 U1.131 U1.144 U5.2 | length 22313.6
  Top Layer w10: pad.0@1535,2815 1535,2797.8 U1.32 1625,2707.8 1625,2696.21 1543.79,2615 1530,2615 1425,2510 1425,2485 1440,2470 1513.1,2470 U1.39 1598.1,2555 1655,2555 1835,2375 ; pad.0@1595.26,2855 1585,2844.74 1585,2803.48 U1.30 ; U1.52 1780,2375 1835,2375 ; U1.17 1875.39,2875 1880,2875 1915,2875 2120,3080 ; U1.62 1918.39,2235 1975,2235 ; U1.72 2066.78,2105 2070,2105 2070,2140 1975,2235 ; U1.144 2120,3132.58 2120,3080 ; U1.84 2470,2057.67 ; U1.95 3053.9,1780 3365,1780 3430,1715 pad.0@3430,1595 ; U1.121 2555,2927.29 2555,2930 2435,3050 2399.32,3050 U1.131 2304.32,2955 2245,2955 2120,3080 ; U1.108 2720.81,2475 pad.0@2725,2475 ; 1835,2375 1975,2235
  Top Layer w30: RFID.8 235,530 120,645 120,3020 195,3095 2.4'/2.8'LCD.24 ; R12.2 1360.45,3625 1510,3625 1600,3535 pad.0@2090,3535 ; 2470,2057.67 2470,1870 pad.0@2745,1595 ; pad.0@2840,325 3050,325 3255,325 3505,325 3570,390 pad.0@3570,505 ; pad.0@3430,1595 3525,1595 3570,1550 J3.1 J3.2 J3.3 J3.4 ; pad.0@3550,2355 pad.0@3550,2540 ; pad.0@3680,2130 J4.1
  Bottom Layer w10: pad.0@1535,2815 1570,2850 1610,2850 1685,2775 1770,2775 1870,2875 1880,2875 2000,2995 2000,3445 pad.0@2090,3535 ; pad.0@2070,2105 2225,1950 2395,1950 2480,1865 2725,2110 pad.0@2725,2475
  Bottom Layer w30: RFID.8 420,175 545,50 3500,50 3570,120 3570,505 J3.4 3367.52,1175 CC2.2 ; 2.4'/2.8'LCD.24 2.4'/2.8'LCD.25 ; C9.2 C10.2 C11.2 C12.2 C13.2 C14.2 C15.2 C16.2 ; U5.2@3111.34,1222.05 U5.2@3124.29,1235 ; R8.1 R9.1 3154.96,2850 R11.1 3149.96,2665.04 3275,2540 C4.1 3549.96,2925.04 3497.28,2977.72 SD_CARD.4@3392.33,2977.72 ; pad.0@3240,840 C21.2 ; C16.2 3430,1725 3495,1790 3685,1790 ; pad.0@3550,2355 3550,2255 3675,2130 3680,2130 3685,2095 3685,1790 ; P1.1 3795,1680 3685,1790
  Bottom Layer w50: U5.2@3111.34,977.95 3111.34,878.66 3150,840 pad.0@3240,840 ; U5.2@3124.29,1235 3307.52,1235 CC2.2
VDDA: C8.2 R12.1 U1.33 | length 943.4
  Top Layer w10: R12.1 C8.2 1435,3330 1435,2995 1490,2940 1490,2814.96 U1.33
VUSB: 2.4'/2.8'LCD.28 C20.2 CC1.2 D6.2 J1.1 J1.2 J1.3 J1.4 pad.1 pad.2 pad.3 pad.4 U2.29 U5.3 | length 7241
  Top Layer w30: pad.2@1075,945 pad.2 ; pad.3@3460,905 pad.4 ; J1.4 J1.3 J1.2 J1.1
  Top Layer w50: pad.2@1075,945 U2.29
  Bottom Layer w30: 2.4'/2.8'LCD.28 330,3295 255,3220 255,1650 380,1525 920,1525 1075,1370 U2.29 ; pad.1 pad.3@3445,890 ; pad.4 3705,965 J1.4
  Bottom Layer w50: pad.2 1315,705 3065,705 ; CC1.2 2945,1180 3020.04,1104.96 C20.2 3020.04,749.96 3065,705 ; pad.1 3065,705
pads on no net: 2.4'/2.8'LCD. 2.4'/2.8'LCD.32 RFID.5 SD_CARD.0 SD_CARD.9 U1.1 U1.2 U1.3 U1.4 U1.5 U1.10 U1.11 U1.12 U1.13 U1.14 U1.15 U1.18 U1.19 U1.20 U1.21 U1.22 U1.26 U1.27 U1.28 U1.29 U1.34 U1.35 U1.36 U1.45 U1.53 U1.54 U1.55 U1.56 U1.57 U1.75 U1.80 U1.81 U1.82 U1.90 U1.91 U1.92 U1.93 U1.96 U1.97 U1.100 U1.103 U1.104 U1.110 U1.117 U1.122 U1.123 U1.124 U1.125 U1.126 U1.128 U1.129 U1.132 U1.133 U1.134 U1.135 U1.136 U1.137 U1.139 U1.140 U1.141 U1.142 U1.143 U2.1 U2.2 U2.3 U2.4 U2.5 U2.6 U2.7 U2.8 U2.9 U2.10 U2.11 U2.12 U2.13 U2.14 U2.15 U2.19 U2.20 U2.21 U2.23 U2.24 U2.25 U2.26 U2.28 U3.0 U4.2 U4.3 U4.4 Y2.0
copper on no net: | length 551.2
  Top Layer w10: 3755,728.82 3796.18,728.82 3810,715 3810,560 ; 3755,754.41 3860.59,754.41 3922.01,692.99 3922.01,555
  Bottom Layer w10: 475,3495 480,3495

## Polygon pours and split planes (outlines as drawn)
GND on Top Layer "NONET_L-01_P-001" (solid, remove dead copper, pour order 4): 0,3937.01 0,0 3937.01,0 3937.01,3937.01
GND on Bottom Layer "NONET_L-01_P-001" (solid, remove dead copper, pour order 6): 0,3937.01 0,0 3937.01,0 3937.01,3937.01

## Keep-outs
Keep-Out Layer:
  the board outline again, w10

## Other copper
Top Layer:
  rectangle net NetD6_1: 3630,685 3785,710
  rectangle net GND: 3795,1125 3890,1520
  rectangle net VUSB: 3660,1125 3750,1515
  rectangle net VCC3.3: 3515,1125 3615,1525
  rectangle net GND: 3670,795 3785,815
  rectangle net VUSB: 3420,670 3530,730
Bottom Layer:
  rectangle net VCC3.3: 3080,990 3135,1235

## Silkscreen, mask and mechanical layers (free items; w line width, h text height)
Top Overlay:
  text "SWC" at 3925,2400 h30 r90
  text "SWD" at 3920,2300 h30 r90
  text "GND" at 3920,2200 h30 r90
  text "VCC" at 3920,2100 h30 r90
  text "RX" at 3920,1960 h30 r90
  text "TX" at 3920,1860 h30 r90
  text "GND" at 3920,1750 h30 r90
  text "VCC" at 3920,1645 h30 r90
  text "SDA" at 375,1200 h30 r90
  text "SCK" at 375,1100 h30 r90
  text "3.3V" at 3545,1090 h30
  text "5V" at 3690,1090 h30
  text "GND" at 3810,1090 h30
  text "MOSI" at 375,995 h30 r90
  text "MISO" at 375,900 h30 r90
  text "GND" at 375,695 h30 r90
  text "RST" at 375,600 h30 r90
  text "VCC" at 375,500 h30 r90
  text "RESET" at 3430,70 h30